# Altium PCB main.PcbDoc (part 2 of 2) (continued)
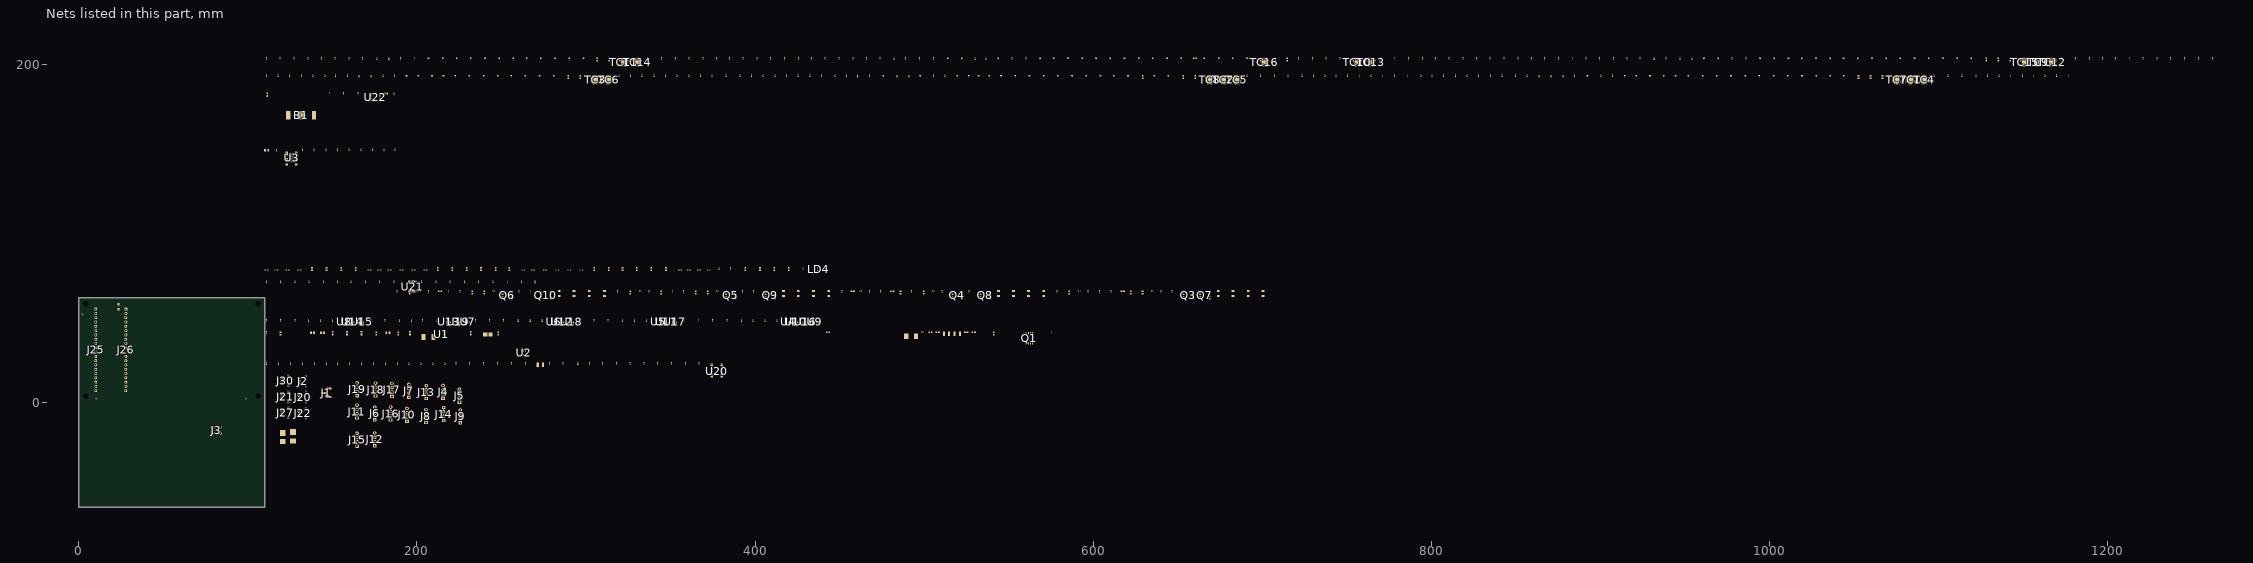
[diagram p2: the nets of this part, all layers, seen from the top]
## Part data (continued)
R73 R145: library part CMP-025-0179, "RES SMD 22K OHM 1% 1/16W 0402", Case Code (Imperial)=0402, Case Code (Metric)=1005, MFR=Yageo, MFR#=RC0402FR-0722KL, Resistor Type="Thick Film", Temp Range="-55 / +155 C", Temperature Coefficient="50 ppm/°C", Tolerance=1%, ComponentLink1Description=Datasheet, ComponentLink1URL=https://yageogroup.com/content/datasheet/asset/file/PYU-RC_GROUP_51_ROHS_L, Design Item ID=R/22K/0.063W/1%/0402, Part Status=Production, Populate=Yes, RoHS Compliant=Yes, Wattage=63mW
R75 R147: library part CMP-025-0177, "RES SMD 7.5K OHM 1% 1/16W 0402", Case Code (Imperial)=0402, Case Code (Metric)=1005, MFR=Yageo, MFR#=RC0402FR-077K5L, Resistor Type="Thick Film", Temp Range="-55 / +155 C", Temperature Coefficient="50 ppm/°C", Tolerance=1%, ComponentLink1Description=Datasheet, ComponentLink1URL=https://yageogroup.com/content/datasheet/asset/file/PYU-RC_GROUP_51_ROHS_L, Design Item ID=R/7.5K/0.063W/1%/0402, Part Status=Production, Populate=Yes, RoHS Compliant=Yes, Wattage=63mW
R99 R171: library part CMP-025-0180, "RES SMD 43K OHM 1% 1/16W 0402", Case Code (Imperial)=0402, Case Code (Metric)=1005, MFR=Yageo, MFR#=RC0402FR-0743KL, Resistor Type="Thick Film", Temp Range="-55 / +155 C", Temperature Coefficient="50 ppm/°C", Tolerance=1%, ComponentLink1Description=Datasheet, ComponentLink1URL=https://yageogroup.com/content/datasheet/asset/file/PYU-RC_GROUP_51_ROHS_L, Design Item ID=R/43K/0.063W/1%/0402, Part Status=Production, Populate=Yes, RoHS Compliant=Yes, Wattage=63mW
R187 R188 R189 R190 R191 R192 R193 R194 R195 R196 R197 R198 R199 R200 R201 R202 R219 R220 R221 R222 R223 R224 R225 R226 R227 R228 R229 R230 R231 R232 R233 R234 R235: library part CMP-025-0174, "RES SMD 50R OHM 1% 1/16W 0402", Case Code (Imperial)=0402, Case Code (Metric)=1005, MFR="KOA Speer Electronics", MFR#=RN73R1ETTP50R0F50, Resistor Type="Thick Film", Temp Range="-55 / +155 C", Temperature Coefficient="50 ppm/°C", Tolerance=1%, ComponentLink1Description=Datasheet, ComponentLink1URL=https://www.koaspeer.com/pdfs/RN73R.pdf, Design Item ID=R/50.0/0.063W/1%/0402, Part Status=Production, Populate=Yes, RoHS Compliant=Yes, Wattage=63mW
R203 R204 R205 R206 R207 R208 R209 R210 R211 R212 R213 R214 R215 R216 R217 R218: library part CMP-025-0170, "RES SMD 5m OHM 1% 1/4W 1206", Case Code (Imperial)=1206, Case Code (Metric)=3216, Current=6A, MFR=YAGEO, MFR#=PE1206FRF070R005L, Resistor Type="Thick Film", Temp Range="-55 / +155 C", Temperature Coefficient=600ppm/°C, Tolerance=1%, Voltage Rating=250V, ComponentLink1Description=Datasheet, ComponentLink1URL=https://www.yageo.com/upload/media/product/app/datasheet/rchip/pyu-rl_group_521_rohs_l.pdf, Design Item ID=R/0.005/0.25W/1%/1206, Part Status=Production, Populate=Yes, RoHS Compliant=Yes, Wattage=0.25W
R236 R240: library part CMP-025-0006, "RES SMD 499k OHM 1% 1/10W 0603", Case Code (Imperial)=0603, Case Code (Metric)=1608, Current=1A, MFR="Panasonic Electronic Components", MFR2="Stackpole Electronics Inc", MFR2#=RMCF0603FT499K, MFR#=ERJ-3EKF4993V, Resistor Type="Thick Film", Temp Range="-55 / +155 C", Temperature Coefficient=100ppm/°C, Tolerance=1%, Voltage Rating=75V, ComponentLink1Description=Datasheet, ComponentLink1URL=https://industrial.panasonic.com/cdbs/www-data/pdf/RDA0000/AOA0000C304.pdf, Design Item ID=R/499K/0.1W/1%/0603, Quality=AEC-Q200, REACH SVHC=Yes, RoHS Compliant=Yes, Wattage=100mW
R237 R238 R239: library part CMP-025-0103, "RES SMD 0 OHM JUMPER 1/10W 0603", Current=1A, MFR="Panasonic Electronic Components", MFR2="Stackpole Electronics Inc", MFR2#=RMCF0603ZT0R00, MFR3="KOA Speer Electronics", MFR3#=RK73Z1JTBK, MFR4=YAGEO, MFR4#=RC0603JR-070RL, MFR#=ERJ-3GEY0R00V, Resistor Type="Thick Film", Temp Range="-55 / +155 C", Tolerance=Jumper, Voltage=75V, ComponentLink1Description=Datasheet, ComponentLink1URL=https://industrial.panasonic.com/cdbs/www-data/pdf/RDA0000/AOA0000C301.pdf, Design Item ID=R/0.00/0.1W/JUMPER/0603, Quality=AEC-Q200, RoHS Compliant=Yes, Wattage=100mW
R241: library part CMP-025-0175, "RES SMD 58K OHM 1% 1/16W 0402", Case Code (Imperial)=0402, Case Code (Metric)=1005, MFR=Yageo, MFR#=RC0402FR-0759KL, Resistor Type="Thick Film", Temp Range="-55 / +155 C", Temperature Coefficient="50 ppm/°C", Tolerance=1%, ComponentLink1Description=Datasheet, ComponentLink1URL=https://yageogroup.com/content/datasheet/asset/file/PYU-RC_GROUP_51_ROHS_L, Design Item ID=R/58K/0.063W/1%/0402, Part Status=Production, Populate=Yes, RoHS Compliant=Yes, Wattage=63mW
R242 R243 R248 R249 R250 R251 R252 R253 R254 R255 R256 R257 R258 R259 R260 R261 R262 R263: library part CMP-025-0012, "RES SMD 3K OHM 1% 1/10W 0603", Case Code (Imperial)=0603, Case Code (Metric)=1608, Current=1A, MFR="Panasonic Electronic Components", MFR2="Stackpole Electronics Inc", MFR2#=RMCF0603FT3K00, MFR#=ERJ-3EKF3001V, Resistor Type="Thick Film", Temp Range="-55 / +155 C", Temperature Coefficient=100ppm/°C, Tolerance=1%, Voltage Rating=75V, ComponentLink1Description=Datasheet, ComponentLink1URL=https://industrial.panasonic.com/cdbs/www-data/pdf/RDA0000/AOA0000C304.pdf, Design Item ID=R/3K/0.1W/1%/0603, Quality=AEC-Q200, REACH SVHC=Yes, RoHS Compliant=Yes, Wattage=100mW
R244: library part CMP-025-0060, "RES SMD 1.6K OHM 1% 1/10W 0603", Case Code (Imperial)=0603, Case Code (Metric)=1608, Current=1A, MFR="Stackpole Electronics Inc", MFR2=Panasonic, MFR2#=ERJ-3EKF1601V, MFR3="KOA Speer Electronics", MFR3#=RK73H1JTTD1601F, MFR#=RMCF0603FT1K60, Resistor Type="Thick Film", Temp Range="-55 / +155 C", Temperature Coefficient=100ppm/°C, Tolerance=1%, Voltage Rating=75V, ComponentLink1Description=Datasheet, ComponentLink1URL=https://www.yageo.com/upload/media/product/productsearch/datasheet/rchip/PYu-RC_Group_51_RoHS_L_11.pdf, Design Item ID=R/1.6K/0.1W/1%/0603, Quality=AEC-Q200, REACH SVHC=Yes, RoHS Compliant=Yes, Wattage=100mW
R245: library part CMP-025-0097, "RES SMD 1K OHM 1% 1/10W 0603", Current=1A, MFR="Panasonic Electronic Components", MFR2="Stackpole Electronics Inc", MFR2#=RMCF0603FT1K00, MFR3=Yageo, MFR3#=RC0603FR-071KL, MFR4=Vishay, MFR4#=CRCW06031K00FKEA, MFR#=ERJ-3EKF1001V, Resistor Type="Thick Film", Temp Range="-55 / +155 C", Tolerance=1%, Voltage=75V, ComponentLink1Description=Datasheet, ComponentLink1URL=https://industrial.panasonic.com/cdbs/www-data/pdf/RDA0000/AOA0000C304.pdf, Design Item ID=R/1.0K/0.1W/1%/0603, Part Status=Production, Quality=AEC-Q200, Wattage=100mW
R246 R247: library part CMP-025-0154, "RES SMD 1K OHM 1% 1/16W 0402", Case Code (Imperial)=0402, Case Code (Metric)=1005, Current=1A, MFR="Stackpole Electronics Inc", MFR2=YAGEO, MFR2#=RC0402FR-071KL, MFR3="Vishay Dale", MFR3#=CRCW04021K00FKED, MFR4="Bourns Inc", MFR4#=CR0402-FX-1001GLF, MFR#=RMCF0402FT1K00, Resistor Type="Thick Film", Temp Range="-55 / +155 C", Temperature Coefficient=100ppm/°C, Tolerance=1%, Voltage Rating=75V, ComponentLink1Description=Datasheet, ComponentLink1URL=https://www.yageo.com/upload/media/product/products/datasheet/rchip/PYu-RC_Group_51_RoHS_L_12.pdf, Design Item ID=R/1.0K/0.063W/1%/0402, Populate=Yes, RoHS Compliant=Yes, Wattage=63mW
TC1 TC2 TC3 TC4 TC5 TC6 TC7 TC8 TC9 TC10 TC11 TC12 TC13 TC14 TC15 TC16: library part CMP-017-0115, "IC THERMOCOUPLE AMPLIFIER I2C", Case Package=QFN-21N, MFR=Microchip, MFR#=MCP96L01T-E/MX, Temp Range, Ambient="-40 / +125 C", Temp Range, Junction="-40 / +150C", Voltage Range="2.3V / +5.5 V", ComponentLink1Description=Datasheet, ComponentLink1URL=https://ww1.microchip.com/downloads/en/DeviceDoc/MCP960X-L0X-RL0X-Data-Sheet-20005426F.pdf, Design Item ID=IC/TC/MCP96L01/QFN20, Part Status=Production, Populate=Yes, REACFH SVCH=Unaffected, RoHS Comliant=Yes, Type=THERMOCOUPLE
TP1 TP2 TP3 TP4 TP5 TP6 TP7 TP8 TP9 TP10 TP11 TP12 TP13 TP14 TP15 TP16 TP17 TP18 TP19 TP20 TP21 TP22 TP23 TP24 TP25 TP26 TP27 TP28 TP29 TP30 TP31 TP32 TP33 TP34 TP35 TP36 TP37 TP38 TP39 TP40 TP41 TP42 TP43 TP44 TP45 TP46 TP47 TP48 TP49 TP50 TP51 TP52 TP53 TP54 TP55 TP56 TP57 TP58 TP59 TP60 TP61 TP62 TP63 TP64 TP65 TP66 TP67 TP68 TP69 TP70 TP71 TP72 TP73 TP74 TP75 TP76 TP77 TP78 TP79 TP80 TP81 TP82 TP83 TP84 TP85 TP86 TP87 TP88 TP89 TP90 TP91 TP92 TP93 TP94 TP95 TP96: library part CMP-019-0006, "TP SMT 1mm Circle", ClassName="Test Point", Design Item ID=TP_SMT_1MM_CIR, Populate=DNP, Shape/Size="1mm Circle"
U1: library part CMP-017-0119, "IC OPAMP VFB 1 CIRCUIT 8HVSSOP", MFR=3PEAK, MFR#=TPP362081-T6TR, Temp Range, Ambient="-40 / +85 C", Temp Range, Junction="-40 / +150C", Voltage Range, Input="4.5V - 36V DC", Voltage Rating, Output="0.6V - 36V DC", ComponentLink1Description=Datasheet, ComponentLink1URL=https://static.3peak.com/res/doc/ds/Datasheet_TPP36208.pdf, Design Item ID=IC/VREG/TPP362081/SOT23-6, Part Status=Production, Populate=Yes, REACFH SVCH=Unaffected, RoHS Comliant=Yes, Type=DC/DC
U2: library part CMP-017-0114, "IC LOAD SWITCH SOT26 T&R 3K", Case Package=SOT23-6, MFR="Diodes Inc", Temp Range, Ambient="-40 / +85 C", Temp Range, Junction="-40 / +150C", Voltage Range="-60 / +60 V", ComponentLink1Description=Datasheet, ComponentLink1URL=https://www.diodes.com/assets/Datasheets/AP74700Q.pdf, Design Item ID=IC/LSW/AP74700QW6-7/SOT23-6, MFR#=AP74700QW6-7, Part Status=Production, Populate=Yes, REACFH SVCH=Unaffected, RoHS Comliant=Yes, Type="LOAD SWITCH"
U3: library part CMP-017-0112, "IC LED DRVR LIN PWM 25MA 28TSSOP", Case Package=TSSOP28, MFR=NXP, MFR#=PCA9685PW,118, Temp Range, Ambient="-40 / +85 C", Temp Range, Junction="-40 / +125C", Voltage Range="2.3V - 5.5V DC", ComponentLink1Description=Datasheet, ComponentLink1URL=https://www.nxp.com/docs/en/data-sheet/PCA9685.pdf, Design Item ID=IC/LDRV/PCA9685PW/TSSOP28, Part Status=Production, Populate=Yes, REACFH SVCH=Unaffected, RoHS Comliant=Yes, Type="PWM CONTROLLER"
U4 U5 U6 U7 U8 U9 U10 U11 U12 U13 U14 U15 U16 U17 U18 U19: library part CMP-017-0113, "IC CURR SENSE 1 CIRCUIT SC70-6", Case Package=sot23-6, MFR=STMicroelectronics, Temp Range, Ambient="-40 / +85 C", Temp Range, Junction="-40 / +125C", Voltage Range="2.7V - 26V DC", ComponentLink1Description=Datasheet, ComponentLink1URL=https://www.st.com/resource/en/datasheet/tsc210.pdf, Design Item ID=IC/I_SNS/TSC214/SOT23-6, MFR#=TSC214IYCT, Part Status=Production, Populate=Yes, REACFH SVCH=Unaffected, RoHS Comliant=Yes, Type="CURRENT SENSOR"
U20: library part CMP-017-0116, "IC 12 BIT ANALOG TO DIGITAL CONVERT SPI", Case Package=TSSOP38, MFR=3PEAK, Temp Range, Ambient="-40 / +125 C", Temp Range, Junction="-40 / +150C", Voltage Range="2.7V - 5.25V DC", ComponentLink1Description=Datasheet, ComponentLink1URL=https://static.3peak.com/res/doc/ds/Datasheet_TPC5120-TPC5121.pdf, Design Item ID=IC/ADC/12BIT/TPC5120S16-TS7R-S/3PEAK, MFR#=TPC5120S16-TS7R-S, Part Status=Production, Populate=Yes, REACFH SVCH=Unaffected, RoHS Comliant=Yes, Type=THERMOCOUPLE
U21: library part CMP-017-0074, "IC BUS SWITCH 2 X 1:4 16TSSOP", Case/Package=TSSOP16, Current, Operating=14uA, Current, Quiescent=1.3uA, MFR="Texas Instruments", MFR#=TCA9546APWR, Temp Range="-40 / +150 C", Voltage Range="1.65V - 5.5V DC", ClassName=FinePitch, ComponentLink1Description=Datasheet, ComponentLink1URL=https://www.ti.com/general/docs/suppproductinfo.tsp?distId=10&gotoUrl=https%3A%2F%2Fwww.ti.com%2Flit%2Fgpn%2Ftca9546a, ComponentLink2Description="Product Page", ComponentLink2URL=https://www.ti.com/product/TCA9546A#product-details, Design Item ID=IC/SW/TCA9546APWR/TSSOP16, Part Status=Production, Populate=Yes, REACH SVHC=Unaffected, RoHS Compliant=Yes, Rth(j-a)="122.3 C/W", Rth(j-c)="56.6 C/W", Type="I2C Multiplexer"
U22: library part CMP-017-0120, "IC OPAMP VFB 1 CIRCUIT 8HVSSOP", MFR=NXP, MFR#=PCF85263AT/AJ, Temp Range, Ambient="-40 / +85 C", Temp Range, Junction="-40 / +150C", Voltage Range, Input="4.5V - 36V DC", Voltage Rating, Output="0.6V - 36V DC", ComponentLink1Description=Datasheet, ComponentLink1URL=https://www.nxp.com/docs/en/data-sheet/PCF85263A.pdf, Design Item ID=IC/RTC/PCF85263AT/SOIC8, Part Status=Production, Populate=Yes, REACFH SVCH=Unaffected, RoHS Comliant=Yes, Type=RTC
Y1: library part CMP-008-0001, "Crystal 0.032768MHz ±20ppm (Tol) 12.5pF FUND 90000Ohm Automotive 2-Pin Ultra Mini-CSMD T/R", Capacitance, Load=12.5pF, ESR (Equivalent Series Resistance)=90kR, Frequency Tolerance=20ppm, MFR="ECS Inc.", MFR2=Epson, MFR2#=FC-12M32.7680KA-A3, MFR#=ECS-.327-12.5-12QS-TR, Temp Range="-40 / +125 C", Design Item ID=XTAL/32.768kHz/ECS-.327-12.5-12QS-TR, Frequency=32.768kHz, Load Capacitance=12.5pF, Quality=AEC-Q200, RoHS Compliant=Yes
Z1: library part CMP-014-0007, "TVS DIODE 30VWM 48.4VC DO214AB", Current=31A, MFR="Micro Commercial Co", MFR2="Littelfuse Inc.", MFR#=SMCJ30CA-TP, Temp Range="-55 / +150 C", Voltage=30V, Voltage, Clamping=48.4V, Design Item ID=TVSB/1500W/30V/SMCJ30CA/SMC, MFR2#=SMCJ30CA, Part Status=Production, Wattage=1500W

## Nets (pads, with @x,y where several pads share a name; then routed paths per layer and width w, separated by ;. In a path a pad name is that pad's centre, name@x,y a point inside that pad or via, vN(x,y) a via of type N, cw(c..) or ccw(c..) an arc to the next point about the centre after c; other vN are vias at no path point)
3V3: J20.2 J21.2 J22.2 J27.2
3V3_EN: J26.4
5V6: C96.1 C97.1 C98.2 D2.2 L1.2 R240.2 R244.2
A0: R264.1 R265.2 U21.1
A1: R266.1 R267.2 U21.2
A2: R268.1 R269.2 U21.13
ADC_CHIP_SEL: J25.9 U20.31
ADC_IN1: R196.2 R220.2
ADC_IN2: R188.2 R221.2
ADC_IN3: R197.2 R222.2
ADC_IN4: R189.2 R223.2
ADC_IN5: R198.2 R224.2
ADC_IN6: R190.2 R225.2
ADC_IN7: R199.2 R226.2
ADC_IN8: R191.2 R227.2
ADC_IN9: R200.2 R228.2
ADC_IN10: R192.2 R229.2
ADC_IN11: R201.2 R230.2
ADC_IN12: R193.2 R231.2
ADC_IN13: R202.2 R232.2
ADC_IN14: R194.2 R233.2
ADC_IN15: R219.2 R234.2
ADC_IN16: R195.2 R235.2
ADC_VREF: J26.6
BUTTON: C101.2 J25.15 J28.1 R282.1
CAP_TOUCH_INT: J25.20
CAP_TOUCH_RST: J25.19
DISP_BACKLIGHT: J25.17
DISP_CS: J26.19
DISP_DC: J26.15
DISP_RST: J26.14
DISP_SD_CARD_CS: J26.12
FET_GATE1: R2.1 U3.6
FET_GATE2: R10.1 U3.7
FET_GATE3: R18.1 U3.8
FET_GATE4: R26.1 U3.9
FET_GATE5: R3.1 U3.10
FET_GATE6: R11.1 U3.11
FET_GATE7: R19.1 U3.12
FET_GATE8: R27.1 U3.13
FET_GATE9: R4.1 U3.15
FET_GATE10: R12.1 U3.16
FET_GATE11: R20.1 U3.17
FET_GATE12: R28.1 U3.18
FET_GATE13: R5.1 U3.19
FET_GATE14: R13.1 U3.20
FET_GATE15: R21.1 U3.21
FET_GATE16: R29.1 U3.22
GND: B1.1 C1.2 C3.2 C4.2 C5.2 C6.2 C7.2 C8.2 C9.2 C10.2 C11.2 C12.2 C13.2 C14.2 C15.2 C16.2 C17.2 C18.2 C19.2 C20.2 C21.2 C22.2 C23.2 C24.2 C25.2 C26.2 C27.2 C28.2 C29.2 C30.2 C31.2 C32.2 C33.2 C34.2 C35.2 C36.2 C37.2 C38.2 C39.2 C40.2 C41.2 C42.2 C43.2 C44.2 C48.2 C49.2 C50.2 C54.2 C55.2 C58.2 C59.2 C60.2 C64.2 C65.2 C66.2 C70.2 C71.2 C74.2 C75.2 C76.2 C77.2 C78.2 C79.2 C80.2 C81.2 C82.2 C83.2 C84.2 C85.2 C86.2 C87.2 C88.2 C89.2 C90.2 C91.2 C92.2 C93.1 C95.2 C99.2 C100.1 C101.1 C102.2 C103.2 J1.2 J2.1 J3.2 J20.1 J21.1 J22.1 J25.3 J25.8 J25.13 J25.18 J26.3 J26.8 J26.13 J26.18 J27.1 J29.1 J30.1 LD1.1 LD2.1 LD3.1 LD4.4 LD5.1 Q3.1 Q3.3 Q4.1 Q4.3 Q5.1 Q5.3 Q6.1 Q6.3 Q7.1 Q7.3 Q8.1 Q8.3 Q9.1 Q9.3 Q10.1 Q10.3 R6.1 R7.1 R8.1 R9.1 R14.1 R15.1 R16.1 R17.1 R22.1 R23.1 R24.1 R25.1 R30.1 R31.1 R32.1 R33.1 R43.1 R44.1 R45.1 R46.1 R47.1 R48.1 R49.1 R50.1 R51.1 R70.1 R71.1 R72.1 R73.1 R74.1 R75.1 R76.1 R77.1 R78.1 R97.1 R98.1 R99.1 R100.1 R101.1 R102.1 R115.1 R116.1 R117.1 R118.1 R119.1 R120.1 R121.1 R122.1 R123.1 R142.1 R143.1 R144.1 R145.1 R146.1 R147.1 R148.1 R149.1 R150.1 R169.1 R170.1 R171.1 R172.1 R173.1 R174.1 R237.2 R241.1 R265.1 R267.1 R269.1 R273.1 TC1.1 TC1.3 TC1.5 TC1.10 TC1.13 TC1.17 TC1.18 TC1.21 TC2.1 TC2.3 TC2.5 TC2.10 TC2.13 TC2.17 TC2.18 TC2.21 TC3.1 TC3.3 TC3.5 TC3.10 TC3.13 TC3.17 TC3.18 TC3.21 TC4.1 TC4.3 TC4.5 TC4.10 TC4.13 TC4.17 TC4.18 TC4.21 TC5.1 TC5.3 TC5.5 TC5.10 TC5.13 TC5.17 TC5.18 TC5.21 TC6.1 TC6.3 TC6.5 TC6.10 TC6.13 TC6.17 TC6.18 TC6.21 TC7.1 TC7.3 TC7.5 TC7.10 TC7.13 TC7.17 TC7.18 TC7.21 TC8.1 TC8.3 TC8.5 TC8.10 TC8.13 TC8.17 TC8.18 TC8.21 TC9.1 TC9.3 TC9.5 TC9.10 TC9.13 TC9.17 TC9.18 TC9.21 TC10.1 TC10.3 TC10.5 TC10.10 TC10.13 TC10.17 TC10.18 TC10.21 TC11.1 TC11.3 TC11.5 TC11.10 TC11.13 TC11.17 TC11.18 TC11.21 TC12.1 TC12.3 TC12.5 TC12.10 TC12.13 TC12.17 TC12.18 TC12.21 TC13.1 TC13.3 TC13.5 TC13.10 TC13.13 TC13.17 TC13.18 TC13.21 TC14.1 TC14.3 TC14.5 TC14.10 TC14.13 TC14.17 TC14.18 TC14.21 TC15.1 TC15.3 TC15.5 TC15.10 TC15.13 TC15.17 TC15.18 TC15.21 TC16.1 TC16.3 TC16.5 TC16.10 TC16.13 TC16.17 TC16.18 TC16.21 U1.1 U2.2 U3.14 U4.1 U4.2 U5.1 U5.2 U6.1 U6.2 U7.1 U7.2 U8.1 U8.2 U9.1 U9.2 U10.1 U10.2 U11.1 U11.2 U12.1 U12.2 U13.1 U13.2 U14.1 U14.2 U15.1 U15.2 U16.1 U16.2 U17.1 U17.2 U18.1 U18.2 U19.1 U19.2 U20.3 U20.6 U20.9 U20.10 U20.19 U20.20 U20.30 U20.35 U21.8 U22.4 Z1.2
I2C0_SCL: J2.4 J25.12 R271.1 U21.14
I2C0_SDA: J2.3 J25.11 R272.1 U21.15
I2C1_SCL: J25.5 J30.4 R35.1 R284.1 U3.26 U22.6
I2C1_SDA: J25.4 J30.3 R34.1 R285.1 U3.27 U22.5
I2C_MUX_RESET: J25.16 R270.1
I2C_MUX_SCL0: J20.4 R129.1 R130.1 R132.1 R156.1 R157.1 R159.1 R179.1 R180.1 R280.1 TC9.19 TC10.19 TC11.19 TC12.19 TC13.19 TC14.19 TC15.19 TC16.19 U21.5
I2C_MUX_SCL1: J21.4 R278.1 U21.7
I2C_MUX_SCL2: J22.4 R276.1 U21.10
I2C_MUX_SCL3: J27.4 R274.1 U21.12
I2C_MUX_SDA0: J20.3 R133.1 R134.1 R135.1 R160.1 R161.1 R166.1 R181.1 R182.1 R281.1 TC9.20 TC10.20 TC11.20 TC12.20 TC13.20 TC14.20 TC15.20 TC16.20 U21.4
I2C_MUX_SDA1: J21.3 R279.1 U21.6
I2C_MUX_SDA2: J22.3 R277.1 U21.9
I2C_MUX_SDA3: J27.3 R275.1 U21.11
I2C_SCL: R57.1 R58.1 R60.1 R84.1 R85.1 R87.1 R107.1 R108.1 TC1.19 TC2.19 TC3.19 TC4.19 TC5.19 TC6.19 TC7.19 TC8.19
I2C_SDA: R61.1 R62.1 R63.1 R88.1 R89.1 R94.1 R109.1 R110.1 TC1.20 TC2.20 TC3.20 TC4.20 TC5.20 TC6.20 TC7.20 TC8.20
I_SNS_N1: LD6.1 Q3.7 Q3.8 R206.1 U4.5
I_SNS_N2: LD10.1 Q3.5 Q3.6 R210.2 U5.5
I_SNS_N3: LD12.1 Q7.7 Q7.8 R211.2 U6.5
I_SNS_N4: LD15.1 Q7.5 Q7.6 R218.1 U7.5
I_SNS_N5: LD18.1 Q4.7 Q4.8 R203.1 U8.5
I_SNS_N6: LD20.1 Q4.5 Q4.6 R207.1 U9.5
I_SNS_N7: LD7.1 Q8.7 Q8.8 R212.1 U10.5
I_SNS_N8: LD9.1 Q8.5 Q8.6 R215.1 U11.5
I_SNS_N9: LD13.1 Q5.7 Q5.8 R204.1 U12.5
I_SNS_N10: LD16.1 Q5.5 Q5.6 R208.1 U13.5
I_SNS_N11: LD19.1 Q9.7 Q9.8 R213.1 U14.5
I_SNS_N12: LD21.1 Q9.5 Q9.6 R216.1 U15.5
I_SNS_N13: LD8.1 Q6.7 Q6.8 R205.1 U16.5
I_SNS_N14: LD11.1 Q6.5 Q6.6 R209.1 U17.5
I_SNS_N15: LD14.1 Q10.7 Q10.8 R214.1 U18.5
I_SNS_N16: LD17.1 Q10.5 Q10.6 R217.1 U19.5
I_SNS_P1: J12.2 R206.2 U4.4
I_SNS_P2: J12.4 R210.1 U5.4
I_SNS_P3: J13.2 R211.1 U6.4
I_SNS_P4: J13.4 R218.2 U7.4
I_SNS_P5: J14.2 R203.2 U8.4
I_SNS_P6: J14.4 R207.2 U9.4
I_SNS_P7: J15.2 R212.2 U10.4
I_SNS_P8: J15.4 R215.2 U11.4
I_SNS_P9: J16.2 R204.2 U12.4
I_SNS_P10: J16.4 R208.2 U13.4
I_SNS_P11: J17.2 R213.2 U14.4
I_SNS_P12: J17.4 R216.2 U15.4
I_SNS_P13: J18.2 R205.2 U16.4
I_SNS_P14: J18.4 R209.2 U17.4
I_SNS_P15: J19.2 R214.2 U18.4
I_SNS_P16: J19.4 R217.2 U19.4
IN0: C76.1 R196.1 U20.28
IN1: C77.1 R188.1 U20.27
IN2: C78.1 R197.1 U20.26
IN3: C79.1 R189.1 U20.25
IN4: C80.1 R198.1 U20.24
IN5: C81.1 R190.1 U20.23
IN6: C82.1 R199.1 U20.22
IN7: C83.1 R191.1 U20.21
IN8: C84.1 R200.1 U20.18
IN9: C85.1 R192.1 U20.17
IN10: C86.1 R201.1 U20.16
IN11: C87.1 R193.1 U20.15
IN12: C88.1 R202.1 U20.14
IN13: C89.1 R194.1 U20.13
IN14: C90.1 R219.1 U20.12
IN15: C91.1 R195.1 U20.11
NetB1_2: B1.2 C102.1 U22.3
NetC2_2: C2.2 U2.1
NetC8_1: C8.1 Q3.2 R2.2 R6.2
NetC9_1: C9.1 Q4.2 R3.2 R7.2
NetC10_1: C10.1 Q5.2 R4.2 R8.2
NetC11_1: C11.1 Q6.2 R5.2 R9.2
NetC12_1: C12.1 Q3.4 R10.2 R14.2
NetC13_1: C13.1 Q4.4 R11.2 R15.2
NetC14_1: C14.1 Q5.4 R12.2 R16.2
NetC15_1: C15.1 Q6.4 R13.2 R17.2
NetC16_1: C16.1 Q7.2 R18.2 R22.2
NetC17_1: C17.1 Q8.2 R19.2 R23.2
NetC18_1: C18.1 Q9.2 R20.2 R24.2
NetC19_1: C19.1 Q10.2 R21.2 R25.2
NetC20_1: C20.1 Q7.4 R26.2 R30.2
NetC21_1: C21.1 Q8.4 R27.2 R31.2
NetC22_1: C22.1 Q9.4 R28.2 R32.2
NetC23_1: C23.1 Q10.4 R29.2 R33.2
NetC45_1: C45.1 R49.2 R55.1 R64.1 TC2.2 TC2.6
NetC45_2: C45.2 R43.2 R65.1 TC2.4
NetC46_1: C46.1 R50.2 R56.1 R66.1 TC3.2 TC3.6
NetC46_2: C46.2 R44.2 R67.1 TC3.4
NetC47_1: C47.1 R51.2 R59.1 R68.1 TC1.2 TC1.6
NetC47_2: C47.2 R45.2 R69.1 TC1.4
NetC51_1: C51.1 R76.2 R82.1 R90.1 TC5.2 TC5.6
NetC51_2: C51.2 R70.2 R91.1 TC5.4
NetC52_1: C52.1 R77.2 R83.1 R92.1 TC6.2 TC6.6
NetC52_2: C52.2 R71.2 R93.1 TC6.4
NetC53_1: C53.1 R78.2 R86.1 R95.1 TC4.2 TC4.6
NetC53_2: C53.2 R74.2 R96.1 TC4.4
NetC56_1: C56.1 R101.2 R105.1 R111.1 TC7.2 TC7.6
NetC56_2: C56.2 R97.2 R112.1 TC7.4
NetC57_1: C57.1 R102.2 R106.1 R113.1 TC8.2 TC8.6
NetC57_2: C57.2 R98.2 R114.1 TC8.4
NetC61_1: C61.1 R121.2 R127.1 R136.1 TC10.2 TC10.6
NetC61_2: C61.2 R115.2 R137.1 TC10.4
NetC62_1: C62.1 R122.2 R128.1 R138.1 TC11.2 TC11.6
NetC62_2: C62.2 R116.2 R139.1 TC11.4
NetC63_1: C63.1 R123.2 R131.1 R140.1 TC9.2 TC9.6
NetC63_2: C63.2 R117.2 R141.1 TC9.4
NetC67_1: C67.1 R148.2 R154.1 R162.1 TC13.2 TC13.6
NetC67_2: C67.2 R142.2 R163.1 TC13.4
NetC68_1: C68.1 R149.2 R155.1 R164.1 TC14.2 TC14.6
NetC68_2: C68.2 R143.2 R165.1 TC14.4
NetC69_1: C69.1 R150.2 R158.1 R167.1 TC12.2 TC12.6
NetC69_2: C69.2 R146.2 R168.1 TC12.4
NetC72_1: C72.1 R173.2 R177.1 R183.1 TC15.2 TC15.6
NetC72_2: C72.2 R169.2 R184.1 TC15.4
NetC73_1: C73.1 R174.2 R178.1 R185.1 TC16.2 TC16.6
NetC73_2: C73.2 R170.2 R186.1 TC16.4
NetC74_1: C74.1 R187.1 U20.8
NetC75_1: C75.1 U20.4
NetC94_1: C94.1 L1.1 R239.2 U1.2
NetC94_2: C94.2 R238.1
NetC95_1: C95.1 R239.1
NetC96_2: C96.2 C97.2 C98.1
NetJ26_7: J26.7
NetJ26_9: J26.9
NetJ26_10: J26.10
NetLD1_2: LD1.2 R242.1
NetLD2_2: LD2.2 R243.1
NetLD3_2: LD3.2 R244.1
NetLD4_1: LD4.1 R246.2
NetLD4_3: LD4.3 R247.1
NetLD5_2: LD5.2 R245.1
NetLD6_2: LD6.2 R248.1
NetLD7_2: LD7.2 R249.1
NetLD8_2: LD8.2 R250.1
NetLD9_2: LD9.2 R252.1
NetLD10_2: LD10.2 R251.1
NetLD11_2: LD11.2 R253.1
NetLD12_2: LD12.2 R254.1
NetLD13_2: LD13.2 R255.1
NetLD14_2: LD14.2 R256.1
NetLD15_2: LD15.2 R257.1
NetLD16_2: LD16.2 R258.1
NetLD17_2: LD17.2 R259.1
NetLD18_2: LD18.2 R260.1
NetLD19_2: LD19.2 R261.1
NetLD20_2: LD20.2 R262.1
NetLD21_2: LD21.2 R263.1
NetQ1_2: Q1.2 Q1.4 U2.5
NetQ1_5: Q1.5 Q1.6 Q1.7 Q1.8
NetR1_1: R1.1 U2.3
NetR36_1: R36.1 U3.24
NetR37_1: R37.1 U3.5
NetR38_1: R38.1 U3.4
NetR39_1: R39.1 U3.3
NetR40_1: R40.1 U3.2
NetR41_1: R41.1 U3.1
NetR46_2: R46.2 R52.1 TC2.16
NetR47_2: R47.2 R53.1 TC3.16
NetR48_2: R48.2 R54.1 TC1.16
NetR72_2: R72.2 R79.1 TC5.16
NetR73_2: R73.2 R80.1 TC6.16
NetR75_2: R75.2 R81.1 TC4.16
NetR99_2: R99.2 R103.1 TC7.16
NetR100_2: R100.2 R104.1 TC8.16
NetR118_2: R118.2 R124.1 TC10.16
NetR119_2: R119.2 R125.1 TC11.16
NetR120_2: R120.2 R126.1 TC9.16
NetR144_2: R144.2 R151.1 TC13.16
NetR145_2: R145.2 R152.1 TC14.16
NetR147_2: R147.2 R153.1 TC12.16
NetR171_2: R171.2 R175.1 TC15.16
NetR172_2: R172.2 R176.1 TC16.16
NetR187_2: R187.2 U20.7
NetR220_1: R220.1 U4.6
NetR221_1: R221.1 U5.6
NetR222_1: R222.1 U6.6
NetR223_1: R223.1 U7.6
NetR224_1: R224.1 U8.6
NetR225_1: R225.1 U9.6
NetR226_1: R226.1 U10.6
NetR227_1: R227.1 U11.6
NetR228_1: R228.1 U12.6
NetR229_1: R229.1 U13.6
NetR230_1: R230.1 U14.6
NetR231_1: R231.1 U15.6
NetR232_1: R232.1 U16.6
NetR233_1: R233.1 U17.6
NetR234_1: R234.1 U18.6
NetR235_1: R235.1 U19.6
NetR236_2: R236.2 R237.1 U1.5
NetR238_2: R238.2 U1.6
NetR240_1: R240.1 R241.2 U1.4
NetR270_2: R270.2 R273.2 U21.3
NetTC1_7: TC1.7 TP5.1
NetTC1_9: TC1.9 TP6.1
NetTC1_11: TC1.11 TP44.1
NetTC1_12: TC1.12 TP43.1
NetTC1_14: TC1.14 TP42.1
NetTC1_15: TC1.15 TP41.1
NetTC2_7: TC2.7 TP1.1
NetTC2_9: TC2.9 TP2.1
NetTC2_11: TC2.11 TP36.1
NetTC2_12: TC2.12 TP35.1
NetTC2_14: TC2.14 TP34.1
NetTC2_15: TC2.15 TP33.1
NetTC3_7: TC3.7 TP3.1
NetTC3_9: TC3.9 TP4.1
NetTC3_11: TC3.11 TP40.1
NetTC3_12: TC3.12 TP39.1
NetTC3_14: TC3.14 TP38.1
NetTC3_15: TC3.15 TP37.1
NetTC4_7: TC4.7 TP11.1
NetTC4_9: TC4.9 TP12.1
NetTC4_11: TC4.11 TP56.1
NetTC4_12: TC4.12 TP55.1
NetTC4_14: TC4.14 TP54.1
NetTC4_15: TC4.15 TP53.1
NetTC5_7: TC5.7 TP7.1
NetTC5_9: TC5.9 TP8.1
NetTC5_11: TC5.11 TP48.1
NetTC5_12: TC5.12 TP47.1
NetTC5_14: TC5.14 TP46.1
NetTC5_15: TC5.15 TP45.1
NetTC6_7: TC6.7 TP9.1
NetTC6_9: TC6.9 TP10.1
NetTC6_11: TC6.11 TP52.1
NetTC6_12: TC6.12 TP51.1
NetTC6_14: TC6.14 TP50.1
NetTC6_15: TC6.15 TP49.1
NetTC7_7: TC7.7 TP13.1
NetTC7_9: TC7.9 TP14.1
NetTC7_11: TC7.11 TP60.1
NetTC7_12: TC7.12 TP59.1
NetTC7_14: TC7.14 TP58.1
NetTC7_15: TC7.15 TP57.1
NetTC8_7: TC8.7 TP15.1
NetTC8_9: TC8.9 TP16.1
NetTC8_11: TC8.11 TP64.1
NetTC8_12: TC8.12 TP63.1
NetTC8_14: TC8.14 TP62.1
NetTC8_15: TC8.15 TP61.1
NetTC9_7: TC9.7 TP21.1
NetTC9_9: TC9.9 TP22.1
NetTC9_11: TC9.11 TP76.1
NetTC9_12: TC9.12 TP75.1
NetTC9_14: TC9.14 TP74.1
NetTC9_15: TC9.15 TP73.1
NetTC10_7: TC10.7 TP17.1
NetTC10_9: TC10.9 TP18.1
NetTC10_11: TC10.11 TP68.1
NetTC10_12: TC10.12 TP67.1
NetTC10_14: TC10.14 TP66.1
NetTC10_15: TC10.15 TP65.1
NetTC11_7: TC11.7 TP19.1
NetTC11_9: TC11.9 TP20.1
NetTC11_11: TC11.11 TP72.1
NetTC11_12: TC11.12 TP71.1
NetTC11_14: TC11.14 TP70.1
NetTC11_15: TC11.15 TP69.1
NetTC12_7: TC12.7 TP27.1
NetTC12_9: TC12.9 TP28.1
NetTC12_11: TC12.11 TP88.1
NetTC12_12: TC12.12 TP87.1
NetTC12_14: TC12.14 TP86.1
NetTC12_15: TC12.15 TP85.1
NetTC13_7: TC13.7 TP23.1
NetTC13_9: TC13.9 TP24.1
NetTC13_11: TC13.11 TP80.1
NetTC13_12: TC13.12 TP79.1
NetTC13_14: TC13.14 TP78.1
NetTC13_15: TC13.15 TP77.1
NetTC14_7: TC14.7 TP25.1
NetTC14_9: TC14.9 TP26.1
NetTC14_11: TC14.11 TP84.1
NetTC14_12: TC14.12 TP83.1
NetTC14_14: TC14.14 TP82.1
NetTC14_15: TC14.15 TP81.1
NetTC15_7: TC15.7 TP29.1
NetTC15_9: TC15.9 TP30.1
NetTC15_11: TC15.11 TP92.1
NetTC15_12: TC15.12 TP91.1
NetTC15_14: TC15.14 TP90.1
NetTC15_15: TC15.15 TP89.1
NetTC16_7: TC16.7 TP31.1
NetTC16_9: TC16.9 TP32.1
NetTC16_11: TC16.11 TP96.1
NetTC16_12: TC16.12 TP95.1
NetTC16_14: TC16.14 TP94.1
NetTC16_15: TC16.15 TP93.1
NetU22_1: U22.1 Y1.2
NetU22_2: U22.2 Y1.1
OUTPUT_ENABLE: J25.6 R42.1 U3.23
PICO_ADA_3V3: C24.1 C25.1 C26.1 C27.1 C28.1 C29.1 C30.1 C31.1 C32.1 C33.1 C34.1 C35.1 C36.1 C37.1 C38.1 C39.1 C40.1 C41.1 C42.1 C43.1 C44.1 C48.1 C49.1 C50.1 C54.1 C55.1 C58.1 C59.1 C60.1 C64.1 C65.1 C66.1 C70.1 C71.1 C100.2 C103.1 J2.2 J26.5 J30.2 R34.2 R35.2 R36.2 R37.2 R38.2 R39.2 R40.2 R41.2 R42.2 R52.2 R53.2 R54.2 R55.2 R56.2 R57.2 R58.2 R59.2 R60.2 R61.2 R62.2 R63.2 R79.2 R80.2 R81.2 R82.2 R83.2 R84.2 R85.2 R86.2 R87.2 R88.2 R89.2 R94.2 R103.2 R104.2 R105.2 R106.2 R107.2 R108.2 R109.2 R110.2 R124.2 R125.2 R126.2 R127.2 R128.2 R129.2 R130.2 R131.2 R132.2 R133.2 R134.2 R135.2 R151.2 R152.2 R153.2 R154.2 R155.2 R156.2 R157.2 R158.2 R159.2 R160.2 R161.2 R166.2 R175.2 R176.2 R177.2 R178.2 R179.2 R180.2 R181.2 R182.2 R264.2 R266.2 R268.2 R271.2 R272.2 R274.2 R275.2 R276.2 R277.2 R278.2 R279.2 R280.2 R281.2 R282.2 R283.1 R284.2 R285.2 TC1.8 TC2.8 TC3.8 TC4.8 TC5.8 TC6.8 TC7.8 TC8.8 TC9.8 TC10.8 TC11.8 TC12.8 TC13.8 TC14.8 TC15.8 TC16.8 U3.28 U4.3 U5.3 U6.3 U7.3 U8.3 U9.3 U10.3 U11.3 U12.3 U13.3 U14.3 U15.3 U16.3 U17.3 U18.3 U19.3 U20.5 U20.29 U20.36 U21.16 U22.8
RGBW_LED: J25.10 R246.1
RTC_INTA: J25.14 R283.2 U22.7
SPI0_CLK: J26.17 U20.32
SPI0_MISO: J26.20 U20.34
SPI0_MOSI: J26.16 U20.33
TC_NEG1: J4.2 R69.2
TC_NEG2: J4.4 R64.2
TC_NEG3: J5.2 R67.2
TC_NEG4: J5.4 R96.2
TC_NEG5: J6.2 R91.2
TC_NEG6: J6.4 R93.2
TC_NEG7: J7.2 R112.2
TC_NEG8: J7.4 R114.2
TC_NEG9: J8.2 R141.2
TC_NEG10: J8.4 R137.2
TC_NEG11: J9.2 R139.2
TC_NEG12: J9.4 R168.2
TC_NEG13: J10.2 R163.2
TC_NEG14: J10.4 R165.2
TC_NEG15: J11.2 R184.2
TC_NEG16: J11.4 R186.2
TC_POS1: J4.1 R68.2
TC_POS2: J4.3 R65.2
TC_POS3: J5.1 R66.2
TC_POS4: J5.3 R95.2
TC_POS5: J6.1 R90.2
TC_POS6: J6.3 R92.2
TC_POS7: J7.1 R111.2
TC_POS8: J7.3 R113.2
TC_POS9: J8.1 R140.2
TC_POS10: J8.3 R136.2
TC_POS11: J9.1 R138.2
TC_POS12: J9.3 R167.2
TC_POS13: J10.1 R162.2
TC_POS14: J10.3 R164.2
TC_POS15: J11.1 R183.2
TC_POS16: J11.3 R185.2
UART_RXD: J1.3 J25.2
UART_TXD: J1.1 J25.1
V_BUS: C99.1 D2.1 J26.1 LD4.2 R245.2
V_FET_P: C4.1 C5.1 C6.1 C7.1 J12.1 J12.3 J13.1 J13.3 J14.1 J14.3 J15.1 J15.3 J16.1 J16.3 J17.1 J17.3 J18.1 J18.3 J19.1 J19.3 Q1.1 R243.2 R248.2 R249.2 R250.2 R251.2 R252.2 R253.2 R254.2 R255.2 R256.2 R257.2 R258.2 R259.2 R260.2 R261.2 R262.2 R263.2 U2.4
VFET_EN: J25.7 R1.2
VIN: C1.1 C2.1 C3.1 D1.2 J3.1 Q1.3 U2.6 Z1.1
VIN_PROT: C92.1 C93.2 D1.1 R236.1 R242.2 U1.3
VSYS: J26.2
pads on no net: FID1.1 FID2.1 FID3.1 FID4.1 FID5.1 FID6.1 J2.5 J2.6 J20.5 J20.6 J21.5 J21.6 J22.5 J22.6 J26.11 J27.5 J27.6 J30.5 J30.6 MTH1.1 MTH2.1 MTH3.1 MTH4.1 R247.2 U3.25 U3.29 U20.1 U20.2 U20.37 U20.38

## Keep-outs
Keep-Out Layer:
  lines w0.2: 0,0 110,0 ; 0,0 0,-62 110,-62 110,0 ; 0,0 0,62 110,62 110,0 ; 0,0 110,0

## Silkscreen, mask and mechanical layers (free items; w line width, h text height)
Mechanical 1:
  lines w0.2: 0,0 110,0 ; 0,0 0,-62 110,-62 110,0 ; 0,0 0,62 110,62 110,0 ; 0,0 110,0

## Dimensions
0,62 to 110,62 on Drill Drawing
0,0 to 0,62 on Drill Drawing

## Text inside footprints (layer, text, board x,y; h text height)
J1: Mechanical 17 "1" at 149,6.9 h1.5 r90; Mechanical 17 "3" at 148.983,4.1 h1.5 r90; Top Overlay "3" at 148.983,4.1 h1.5 r90; Top Overlay "1" at 149,6.9 h1.5 r90
J25: Mechanical 17 "1" at 11.55,54.85 h1.5; Top Overlay "1" at 11.55,54.85 h1.5
J26: Mechanical 17 "1" at 29.33,54.85 h1.5; Top Overlay "1" at 29.33,54.85 h1.5